# KiCad board demomatrix.kicad_pcb (continued)
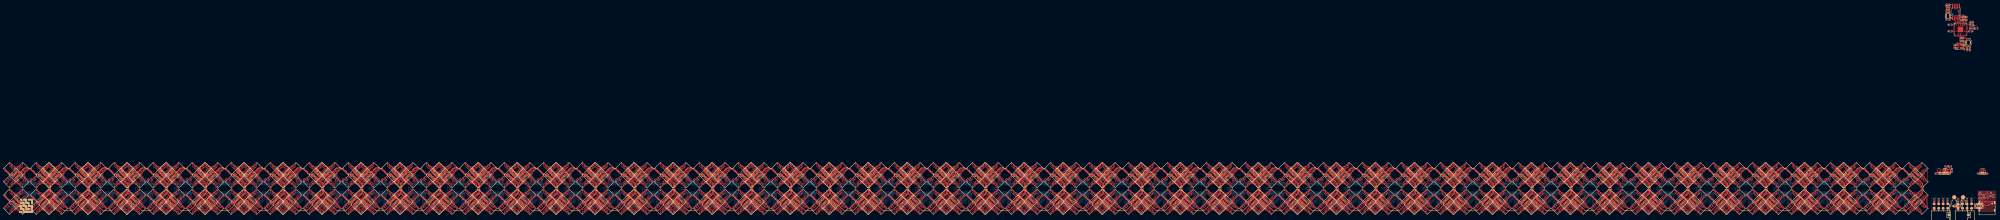
[diagram p0: board, top side]
## Routing (per net, layer and track width the routed paths; a pad name or vN(x,y) marks a point on that pad's centre or on a via; arc(x,y) is an arc through that point) (continued)
rgbs[3]-anodes-anode-766: length 3.9
  Top w0.2: LED143.5 -29.12,0.61 -30.11,0.61 -30.46,0.97 -30.92,0.97 -31.26,0.62 -32.46,0.62 LED144.6
rgbs[3]-anodes-anode-767: length 1.8
  Top w0.2: LED143.7 -29.9,1.53 -29.94,1.53 -30.11,1.37 -31.32,1.37 LED144.8
rgbs[3]-anodes-anode-768: length 9.5
  Top w0.2: LED148.4 -26.43,15.08 -26.43,15.87 -25.7,16.59 -25.69,16.59 -25.4,16.88 -25.4,16.89 -24.84,17.45 -24.59,17.45 -23.91,16.77 -23.47,16.77 -22.79,17.45 -22.54,17.45 -20.98,15.89 -20.98,15.08 -21.13,14.93 -21.13,14.9 LED147.3
rgbs[3]-anodes-anode-769: length 12.8
  Top w0.2: LED148.2 -27.16,14.12 -27.16,15.7 -25.86,16.99 -25.86,16.99 -25.8,17.05 -25.8,17.06 -25.01,17.85 -24.43,17.85 -23.74,17.17 -23.64,17.17 -22.95,17.85 -22.37,17.85 -20.22,15.7 -20.22,14.31 -20.15,14.23 -20.28,14.1 -20.28,14.06 LED147.1
rgbs[3]-anodes-anode-770: length 3.9
  Top w0.2: LED148.6 -25.46,15.62 -24.26,15.62 -23.92,15.97 -23.46,15.97 -23.11,15.61 -22.12,15.61 LED147.5
rgbs[3]-anodes-anode-771: length 1.8
  Top w0.2: LED147.7 -22.9,16.53 -22.94,16.53 -23.11,16.37 -24.32,16.37 LED148.8
rgbs[3]-anodes-anode-772: length 9.5
  Top w0.2: LED152.4 -11.43,15.08 -11.43,15.87 -10.7,16.59 -10.69,16.59 -10.4,16.88 -10.4,16.89 -9.84,17.45 -9.59,17.45 -8.91,16.77 -8.47,16.77 -7.79,17.45 -7.54,17.45 -5.98,15.89 -5.98,15.08 -6.13,14.93 -6.13,14.9 LED151.3
rgbs[3]-anodes-anode-773: length 12.8
  Top w0.2: LED152.2 -12.16,14.12 -12.16,15.7 -10.86,16.99 -10.86,16.99 -10.8,17.05 -10.8,17.06 -10.01,17.85 -9.43,17.85 -8.74,17.17 -8.64,17.17 -7.95,17.85 -7.37,17.85 -5.22,15.7 -5.22,14.31 -5.15,14.23 -5.28,14.1 -5.28,14.06 LED151.1
rgbs[3]-anodes-anode-774: length 3.9
  Top w0.2: LED151.5 -7.12,15.61 -8.11,15.61 -8.46,15.97 -8.92,15.97 -9.26,15.62 -10.46,15.62 LED152.6
rgbs[3]-anodes-anode-775: length 1.8
  Top w0.2: LED152.8 -9.32,16.37 -8.11,16.37 -7.94,16.53 -7.9,16.53 LED151.7
rgbs[3]-anodes-anode-776: length 9.5
  Top w0.2: LED156.4 -26.43,0.08 -26.43,0.87 -25.7,1.59 -25.69,1.59 -25.4,1.88 -25.4,1.89 -24.84,2.45 -24.59,2.45 -23.91,1.77 -23.47,1.77 -22.79,2.45 -22.54,2.45 -20.98,0.89 -20.98,0.08 -21.13,-0.07 -21.13,-0.1 LED155.3
rgbs[3]-anodes-anode-777: length 12.8
  Top w0.2: LED155.1 -20.28,-0.94 -20.28,-0.9 -20.15,-0.77 -20.22,-0.69 -20.22,0.7 -22.37,2.85 -22.95,2.85 -23.64,2.17 -23.74,2.17 -24.43,2.85 -25.01,2.85 -25.8,2.06 -25.8,2.05 -25.86,1.99 -25.86,1.99 -27.16,0.7 -27.16,-0.88 LED156.2
rgbs[3]-anodes-anode-778: length 3.9
  Top w0.2: LED155.5 -22.12,0.61 -23.11,0.61 -23.46,0.97 -23.92,0.97 -24.26,0.62 -25.46,0.62 LED156.6
rgbs[3]-anodes-anode-779: length 1.8
  Top w0.2: LED155.7 -22.9,1.53 -22.94,1.53 -23.11,1.37 -24.32,1.37 LED156.8
rgbs[3]-anodes-anode-780: length 9.5
  Top w0.2: LED160.4 -11.43,0.08 -11.43,0.87 -10.7,1.59 -10.69,1.59 -10.4,1.88 -10.4,1.89 -9.84,2.45 -9.59,2.45 -8.91,1.77 -8.47,1.77 -7.79,2.45 -7.54,2.45 -5.98,0.89 -5.98,0.08 -6.13,-0.07 -6.13,-0.1 LED159.3
rgbs[3]-anodes-anode-781: length 12.8
  Top w0.2: LED159.1 -5.28,-0.94 -5.28,-0.9 -5.15,-0.77 -5.22,-0.69 -5.22,0.7 -7.37,2.85 -7.95,2.85 -8.64,2.17 -8.74,2.17 -9.43,2.85 -10.01,2.85 -10.8,2.06 -10.8,2.05 -10.86,1.99 -10.86,1.99 -12.16,0.7 -12.16,-0.88 LED160.2
rgbs[3]-anodes-anode-782: length 3.9
  Top w0.2: LED160.6 -10.46,0.62 -9.26,0.62 -8.92,0.97 -8.46,0.97 -8.11,0.61 -7.12,0.61 LED159.5
rgbs[3]-anodes-anode-783: length 1.8
  Top w0.2: LED160.8 -9.32,1.37 -8.11,1.37 -7.94,1.53 -7.9,1.53 LED159.7
rgbs[3]-cathodes-cathode-0: length 17.9
  Top w0.2: LED4.1 -1084.85,15.8 v1(-1084.77,15.8)
  Bottom w0.2: v1(-1084.77,15.8) -1084.65,15.8 ; -1084.65,15.8 -1084.58,15.87 ; -1084.65,15.8 -1084.13,16.32 -1084.13,16.32 -1083.78,16.67 -1083.78,16.68 -1083.37,17.08 -1083.14,17.31 -1082.79,17.66 -1082.79,17.67 -1082.77,17.69 -1082.46,17.69 -1082.37,17.69 -1082.03,17.69 -1079.83,19.89 -1076.04,19.89 -1073.24,17.09 -1073.24,16.89 U1.5
rgbs[3]-cathodes-cathode-1: length 9.4
  Top w0.2: v1(-1069.72,2.28) -1070.41,2.97 LED16.3
  Bottom w0.2: U1.15 -1070.07,2.63 v1(-1069.72,2.28)
rgbs[3]-cathodes-cathode-2: length 10.7
  Top w0.2: v1(-1070.36,1.27) -1071.26,2.17 LED16.1
  Bottom w0.2: U1.16 -1070.7,1.61 v1(-1070.36,1.27)
rgbs[3]-cathodes-cathode-3: length 21.3
  Top w0.2: v1(-1085.23,1.21) -1085.25,1.21 LED12.1
  Bottom w0.2: U1.17 -1071.27,10.46 -1071.27,9.75 -1071.37,9.65 -1071.37,6.91 -1075.39,2.89 -1081.86,2.89 -1083.54,1.21 v1(-1085.23,1.21)
rgbs[3]-cathodes-cathode-4: length 19.3
  Top w0.2: LED12.3 -1084.51,2.17 v1(-1084.44,2.17)
  Bottom w0.2: U1.18 -1071.97,6.88 -1075.56,3.29 -1082.02,3.29 -1083.15,2.17 v1(-1084.44,2.17)
rgbs[3]-cathodes-cathode-5: length 17.6
  Top w0.2: LED12.5 -1083.6,2.96 v1(-1083.6,2.94)
  Bottom w0.2: v1(-1083.6,2.94) -1082.94,2.94 -1082.19,3.69 -1075.72,3.69 -1072.61,6.81 U1.19
rgbs[3]-cathodes-cathode-6: length 15.2
  Top w0.2: v1(-1082.89,4) -1082.95,4 -1083.43,4.48
  Bottom w0.2: v1(-1082.89,4) -1082.8,4.09 -1075.89,4.09 -1073.24,6.74 U1.20
rgbs[3]-cathodes-cathode-7: length 17.3
  Top w0.2: LED4.3 -1084.38,17.03 v1(-1084.38,16.92)
  Bottom w0.2: U1.6 -1072.61,17.02 -1075.88,20.29 -1080,20.29 -1082.2,18.09 -1082.62,18.09 -1082.62,18.09 -1082.93,18.09 -1083.19,17.83 -1083.19,17.83 -1083.54,17.48 -1083.92,17.09 -1084.21,17.09 v1(-1084.38,16.92)
rgbs[3]-cathodes-cathode-8: length 16.9
  Top w0.2: LED4.5 -1083.79,18.14 v1(-1083.79,18.08)
  Bottom w0.2: v1(-1083.79,18.08) -1083.65,17.94 -1083.1,18.49 -1082.79,18.49 -1082.7,18.49 -1082.37,18.49 -1080.16,20.69 -1075.71,20.69 -1071.97,16.95 U1.7
rgbs[3]-cathodes-cathode-9: length 16.1
  Top w0.2: v1(-1083.04,19.09) -1083.04,19.09 -1083.43,19.48
  Bottom w0.2: v1(-1083.04,19.09) -1082.84,18.89 -1082.53,18.89 -1080.33,21.09 -1075.55,21.09 -1071.34,16.89 U1.8
rgbs[3]-cathodes-cathode-10: length 4.1
  Top w0.2: v1(-1071.81,18.21) -1071.26,17.66 LED8.1
  Bottom w0.2: U1.9 -1070.7,17.1 v1(-1071.81,18.21)
rgbs[3]-cathodes-cathode-11: length 4.5
  Top w0.2: v1(-1071.2,18.72) -1071.07,18.72 LED8.3
  Bottom w0.2: v1(-1071.2,18.72) -1070.07,17.59 U1.10
rgbs[3]-cathodes-cathode-12: length 3.2
  Top w0.2: LED8.5 -1069.42,18.78 v1(-1069.42,17.52)
  Bottom w0.2: U1.11 -1069.43,17.51 v1(-1069.42,17.52)
rgbs[3]-cathodes-cathode-13: length 3.7
  Top w0.2: v1(-1068.79,18.01) -1068.53,18.27 -1068.53,19.33
  Bottom w0.2: v1(-1068.79,18.01) -1068.8,18 U1.12
rgbs[3]-cathodes-cathode-14: length 7.9
  Top w0.2: LED16.7 -1068.72,4.74 v1(-1067.98,4)
  Bottom w0.2: U1.13 -1068.8,4.82 v1(-1067.98,4)
rgbs[3]-cathodes-cathode-15: length 8.7
  Top w0.2: LED16.5 -1068.9,3.25 v1(-1068.9,3.1)
  Bottom w0.2: v1(-1068.9,3.1) -1069.43,3.64 U1.14
rgbs[3]-cathodes-cathode-16: length 17.9
  Top w0.2: LED164.1 -1062.85,15.8 v1(-1062.77,15.8)
  Bottom w0.2: -1062.58,15.87 -1062.65,15.8 ; -1062.65,15.8 v1(-1062.77,15.8) ; -1062.65,15.8 -1062.13,16.32 -1062.13,16.32 -1061.78,16.67 -1061.78,16.68 -1061.37,17.08 -1061.14,17.31 -1060.79,17.66 -1060.79,17.67 -1060.77,17.69 -1060.46,17.69 -1060.37,17.69 -1060.03,17.69 -1057.83,19.89 -1054.04,19.89 -1051.24,17.09 -1051.24,16.89 U51.5
rgbs[3]-cathodes-cathode-17: length 9.4
  Top w0.2: LED176.3 -1048.41,2.97 v1(-1047.72,2.28)
  Bottom w0.2: v1(-1047.72,2.28) -1048.07,2.63 U51.15
rgbs[3]-cathodes-cathode-18: length 10.7
  Top w0.2: LED176.1 -1049.26,2.17 v1(-1048.36,1.27)
  Bottom w0.2: U51.16 -1048.7,1.61 v1(-1048.36,1.27)
rgbs[3]-cathodes-cathode-19: length 21.3
  Top w0.2: v1(-1063.23,1.21) -1063.25,1.21 LED172.1
  Bottom w0.2: U51.17 -1049.27,10.46 -1049.27,9.75 -1049.37,9.65 -1049.37,6.91 -1053.39,2.89 -1059.86,2.89 -1061.54,1.21 v1(-1063.23,1.21)
rgbs[3]-cathodes-cathode-20: length 19.3
  Top w0.2: LED172.3 -1062.51,2.17 v1(-1062.44,2.17)
  Bottom w0.2: U51.18 -1049.97,6.88 -1053.56,3.29 -1060.02,3.29 -1061.15,2.17 v1(-1062.44,2.17)
rgbs[3]-cathodes-cathode-21: length 17.6
  Top w0.2: LED172.5 -1061.6,2.96 v1(-1061.6,2.94)
  Bottom w0.2: U51.19 -1050.61,6.81 -1053.72,3.69 -1060.19,3.69 -1060.94,2.94 v1(-1061.6,2.94)
rgbs[3]-cathodes-cathode-22: length 15.2
  Top w0.2: v1(-1060.89,4) -1060.95,4 -1061.43,4.48
  Bottom w0.2: U51.20 -1051.24,6.74 -1053.89,4.09 -1060.8,4.09 v1(-1060.89,4)
rgbs[3]-cathodes-cathode-23: length 17.3
  Top w0.2: LED164.3 -1062.38,17.03 v1(-1062.38,16.92)
  Bottom w0.2: v1(-1062.38,16.92) -1062.21,17.09 -1061.92,17.09 -1061.54,17.48 -1061.19,17.83 -1061.19,17.83 -1060.93,18.09 -1060.62,18.09 -1060.62,18.09 -1060.2,18.09 -1058,20.29 -1053.88,20.29 -1050.61,17.02 U51.6
rgbs[3]-cathodes-cathode-24: length 16.9
  Top w0.2: v1(-1061.79,18.08) -1061.79,18.14 LED164.5
  Bottom w0.2: U51.7 -1049.97,16.95 -1053.71,20.69 -1058.16,20.69 -1060.37,18.49 -1060.79,18.49 -1061.1,18.49 -1061.65,17.94 v1(-1061.79,18.08)
rgbs[3]-cathodes-cathode-25: length 16.1
  Top w0.2: -1061.43,19.48 -1061.04,19.09 v1(-1061.04,19.09)
  Bottom w0.2: U51.8 -1049.34,16.89 -1053.55,21.09 -1058.33,21.09 -1060.53,18.89 -1060.84,18.89 v1(-1061.04,19.09)
rgbs[3]-cathodes-cathode-26: length 4.1
  Top w0.2: v1(-1049.81,18.21) -1049.26,17.66 LED168.1
  Bottom w0.2: v1(-1049.81,18.21) -1048.7,17.1 U51.9
rgbs[3]-cathodes-cathode-27: length 4.5
  Top w0.2: v1(-1049.2,18.72) -1049.07,18.72 LED168.3
  Bottom w0.2: U51.10 -1048.07,17.59 v1(-1049.2,18.72)
rgbs[3]-cathodes-cathode-28: length 3.2
  Top w0.2: LED168.5 -1047.42,18.78 v1(-1047.42,17.52)
  Bottom w0.2: v1(-1047.42,17.52) -1047.43,17.51 U51.11
rgbs[3]-cathodes-cathode-29: length 3.7
  Top w0.2: -1046.53,19.33 -1046.53,18.27 v1(-1046.79,18.01)
  Bottom w0.2: U51.12 -1046.8,18 v1(-1046.79,18.01)
rgbs[3]-cathodes-cathode-30: length 7.9
  Top w0.2: v1(-1045.98,4) -1046.72,4.74 LED176.7
  Bottom w0.2: U51.13 -1046.8,4.82 v1(-1045.98,4)
rgbs[3]-cathodes-cathode-31: length 8.7
  Top w0.2: LED176.5 -1046.9,3.25 v1(-1046.9,3.1)
  Bottom w0.2: U51.14 -1047.43,3.64 v1(-1046.9,3.1)
rgbs[3]-cathodes-cathode-32: length 17.9
  Top w0.2: v1(-1040.77,15.8) -1040.85,15.8 LED180.1
  Bottom w0.2: -1040.65,15.8 -1040.13,16.32 -1040.13,16.32 -1039.78,16.67 -1039.78,16.68 -1039.37,17.08 -1039.14,17.31 -1038.79,17.66 -1038.79,17.67 -1038.77,17.69 -1038.46,17.69 -1038.37,17.69 -1038.03,17.69 -1035.83,19.89 -1032.04,19.89 -1029.24,17.09 -1029.24,16.89 U56.5 ; -1040.65,15.8 -1040.58,15.87 ; -1040.65,15.8 v1(-1040.77,15.8)
rgbs[3]-cathodes-cathode-33: length 9.4
  Top w0.2: v1(-1025.72,2.28) -1026.41,2.97 LED192.3
  Bottom w0.2: v1(-1025.72,2.28) -1026.07,2.63 U56.15
rgbs[3]-cathodes-cathode-34: length 10.7
  Top w0.2: v1(-1026.36,1.27) -1027.26,2.17 LED192.1
  Bottom w0.2: v1(-1026.36,1.27) -1026.7,1.61 U56.16
rgbs[3]-cathodes-cathode-35: length 21.3
  Top w0.2: v1(-1041.23,1.21) -1041.25,1.21 LED188.1
  Bottom w0.2: U56.17 -1027.27,10.46 -1027.27,9.75 -1027.37,9.65 -1027.37,6.91 -1031.39,2.89 -1037.86,2.89 -1039.54,1.21 v1(-1041.23,1.21)
rgbs[3]-cathodes-cathode-36: length 19.3
  Top w0.2: v1(-1040.44,2.17) -1040.51,2.17 LED188.3
  Bottom w0.2: U56.18 -1027.97,6.88 -1031.56,3.29 -1038.02,3.29 -1039.15,2.17 v1(-1040.44,2.17)
rgbs[3]-cathodes-cathode-37: length 17.6
  Top w0.2: v1(-1039.6,2.94) -1039.6,2.96 LED188.5
  Bottom w0.2: v1(-1039.6,2.94) -1038.94,2.94 -1038.19,3.69 -1031.72,3.69 -1028.61,6.81 U56.19
rgbs[3]-cathodes-cathode-38: length 15.2
  Top w0.2: v1(-1038.89,4) -1038.95,4 -1039.43,4.48
  Bottom w0.2: v1(-1038.89,4) -1038.8,4.09 -1031.89,4.09 -1029.24,6.74 U56.20
rgbs[3]-cathodes-cathode-39: length 17.3
  Top w0.2: v1(-1040.38,16.92) -1040.38,17.03 LED180.3
  Bottom w0.2: U56.6 -1028.61,17.02 -1031.88,20.29 -1036,20.29 -1038.2,18.09 -1038.62,18.09 -1038.62,18.09 -1038.93,18.09 -1039.19,17.83 -1039.19,17.83 -1039.54,17.48 -1039.92,17.09 -1040.21,17.09 v1(-1040.38,16.92)
rgbs[3]-cathodes-cathode-40: length 16.9
  Top w0.2: v1(-1039.79,18.08) -1039.79,18.14 LED180.5
  Bottom w0.2: v1(-1039.79,18.08) -1039.65,17.94 -1039.1,18.49 -1038.79,18.49 -1038.7,18.49 -1038.37,18.49 -1036.16,20.69 -1031.71,20.69 -1027.97,16.95 U56.7
rgbs[3]-cathodes-cathode-41: length 16.1
  Top w0.2: -1039.43,19.48 -1039.04,19.09 v1(-1039.04,19.09)
  Bottom w0.2: v1(-1039.04,19.09) -1038.84,18.89 -1038.53,18.89 -1036.33,21.09 -1031.55,21.09 -1027.34,16.89 U56.8
rgbs[3]-cathodes-cathode-42: length 4.1
  Top w0.2: v1(-1027.81,18.21) -1027.26,17.66 LED184.1
  Bottom w0.2: v1(-1027.81,18.21) -1026.7,17.1 U56.9
rgbs[3]-cathodes-cathode-43: length 4.5
  Top w0.2: v1(-1027.2,18.72) -1027.07,18.72 LED184.3
  Bottom w0.2: v1(-1027.2,18.72) -1026.07,17.59 U56.10
rgbs[3]-cathodes-cathode-44: length 3.2
  Top w0.2: v1(-1025.42,17.52) -1025.42,18.78 LED184.5
  Bottom w0.2: U56.11 -1025.43,17.51 v1(-1025.42,17.52)
rgbs[3]-cathodes-cathode-45: length 3.7
  Top w0.2: -1024.53,19.33 -1024.53,18.27 v1(-1024.79,18.01)
  Bottom w0.2: U56.12 -1024.8,18 v1(-1024.79,18.01)
rgbs[3]-cathodes-cathode-46: length 7.9
  Top w0.2: v1(-1023.98,4) -1024.72,4.74 LED192.7
  Bottom w0.2: v1(-1023.98,4) -1024.8,4.82 U56.13
rgbs[3]-cathodes-cathode-47: length 8.7
  Top w0.2: v1(-1024.9,3.1) -1024.9,3.25 LED192.5
  Bottom w0.2: U56.14 -1025.43,3.64 v1(-1024.9,3.1)
rgbs[3]-cathodes-cathode-48: length 17.9
  Top w0.2: v1(-1018.77,15.8) -1018.85,15.8 LED196.1
  Bottom w0.2: -1018.65,15.8 -1018.13,16.32 -1018.13,16.32 -1017.78,16.67 -1017.78,16.68 -1017.37,17.08 -1017.14,17.31 -1016.79,17.66 -1016.79,17.67 -1016.77,17.69 -1016.46,17.69 -1016.37,17.69 -1016.03,17.69 -1013.83,19.89 -1010.04,19.89 -1007.24,17.09 -1007.24,16.89 U61.5 ; -1018.65,15.8 v1(-1018.77,15.8) ; -1018.65,15.8 -1018.58,15.87
rgbs[3]-cathodes-cathode-49: length 9.4
  Top w0.2: LED208.3 -1004.41,2.97 v1(-1003.72,2.28)
  Bottom w0.2: v1(-1003.72,2.28) -1004.07,2.63 U61.15
rgbs[3]-cathodes-cathode-50: length 10.7
  Top w0.2: LED208.1 -1005.26,2.17 v1(-1004.36,1.27)
  Bottom w0.2: U61.16 -1004.7,1.61 v1(-1004.36,1.27)
rgbs[3]-cathodes-cathode-51: length 21.3
  Top w0.2: v1(-1019.23,1.21) -1019.25,1.21 LED204.1
  Bottom w0.2: U61.17 -1005.27,10.46 -1005.27,9.75 -1005.37,9.65 -1005.37,6.91 -1009.39,2.89 -1015.86,2.89 -1017.54,1.21 v1(-1019.23,1.21)
rgbs[3]-cathodes-cathode-52: length 19.3
  Top w0.2: v1(-1018.44,2.17) -1018.51,2.17 LED204.3
  Bottom w0.2: v1(-1018.44,2.17) -1017.15,2.17 -1016.02,3.29 -1009.56,3.29 -1005.97,6.88 U61.18
rgbs[3]-cathodes-cathode-53: length 17.6
  Top w0.2: LED204.5 -1017.6,2.96 v1(-1017.6,2.94)
  Bottom w0.2: U61.19 -1006.61,6.81 -1009.72,3.69 -1016.19,3.69 -1016.94,2.94 v1(-1017.6,2.94)
rgbs[3]-cathodes-cathode-54: length 15.2
  Top w0.2: -1017.43,4.48 -1016.95,4 v1(-1016.89,4)
  Bottom w0.2: U61.20 -1007.24,6.74 -1009.89,4.09 -1016.8,4.09 v1(-1016.89,4)
rgbs[3]-cathodes-cathode-55: length 17.3
  Top w0.2: v1(-1018.38,16.92) -1018.38,17.03 LED196.3
  Bottom w0.2: U61.6 -1006.61,17.02 -1009.88,20.29 -1014,20.29 -1016.2,18.09 -1016.62,18.09 -1016.62,18.09 -1016.93,18.09 -1017.19,17.83 -1017.19,17.83 -1017.54,17.48 -1017.92,17.09 -1018.21,17.09 v1(-1018.38,16.92)
rgbs[3]-cathodes-cathode-56: length 16.9
  Top w0.2: LED196.5 -1017.79,18.14 v1(-1017.79,18.08)
  Bottom w0.2: U61.7 -1005.97,16.95 -1009.71,20.69 -1014.16,20.69 -1016.37,18.49 -1016.79,18.49 -1017.1,18.49 -1017.65,17.94 v1(-1017.79,18.08)
rgbs[3]-cathodes-cathode-57: length 16.1
  Top w0.2: v1(-1017.04,19.09) -1017.04,19.09 -1017.43,19.48
  Bottom w0.2: v1(-1017.04,19.09) -1016.84,18.89 -1016.53,18.89 -1014.33,21.09 -1009.55,21.09 -1005.34,16.89 U61.8
rgbs[3]-cathodes-cathode-58: length 4.1
  Top w0.2: LED200.1 -1005.26,17.66 v1(-1005.81,18.21)
  Bottom w0.2: U61.9 -1004.7,17.1 v1(-1005.81,18.21)
rgbs[3]-cathodes-cathode-59: length 4.5
  Top w0.2: LED200.3 -1005.07,18.72 v1(-1005.2,18.72)
  Bottom w0.2: v1(-1005.2,18.72) -1004.07,17.59 U61.10
rgbs[3]-cathodes-cathode-60: length 3.2
  Top w0.2: v1(-1003.42,17.52) -1003.42,18.78 LED200.5
  Bottom w0.2: U61.11 -1003.43,17.51 v1(-1003.42,17.52)
rgbs[3]-cathodes-cathode-61: length 3.7
  Top w0.2: v1(-1002.79,18.01) -1002.53,18.27 -1002.53,19.33
  Bottom w0.2: v1(-1002.79,18.01) -1002.8,18 U61.12
rgbs[3]-cathodes-cathode-62: length 7.9
  Top w0.2: LED208.7 -1002.72,4.74 v1(-1001.98,4)
  Bottom w0.2: U61.13 -1002.8,4.82 v1(-1001.98,4)
rgbs[3]-cathodes-cathode-63: length 8.7
  Top w0.2: LED208.5 -1002.9,3.25 v1(-1002.9,3.1)
  Bottom w0.2: U61.14 -1003.43,3.64 v1(-1002.9,3.1)
rgbs[3]-cathodes-cathode-64: length 17.9
  Top w0.2: v1(-996.77,15.8) -996.85,15.8 LED212.1
  Bottom w0.2: -996.58,15.87 -996.65,15.8 ; -996.65,15.8 v1(-996.77,15.8) ; -996.65,15.8 -996.13,16.32 -996.13,16.32 -995.78,16.67 -995.78,16.68 -995.37,17.08 -995.14,17.31 -994.79,17.66 -994.79,17.67 -994.77,17.69 -994.46,17.69 -994.37,17.69 -994.03,17.69 -991.83,19.89 -988.04,19.89 -985.24,17.09 -985.24,16.89 U66.5
rgbs[3]-cathodes-cathode-65: length 9.4
  Top w0.2: LED224.3 -982.41,2.97 v1(-981.72,2.28)
  Bottom w0.2: v1(-981.72,2.28) -982.07,2.63 U66.15
rgbs[3]-cathodes-cathode-66: length 10.7
  Top w0.2: v1(-982.36,1.27) -983.26,2.17 LED224.1
  Bottom w0.2: U66.16 -982.7,1.61 v1(-982.36,1.27)
rgbs[3]-cathodes-cathode-67: length 21.3
  Top w0.2: v1(-997.23,1.21) -997.25,1.21 LED220.1
  Bottom w0.2: U66.17 -983.27,10.46 -983.27,9.75 -983.37,9.65 -983.37,6.91 -987.39,2.89 -993.86,2.89 -995.54,1.21 v1(-997.23,1.21)
rgbs[3]-cathodes-cathode-68: length 19.3
  Top w0.2: v1(-996.44,2.17) -996.51,2.17 LED220.3
  Bottom w0.2: v1(-996.44,2.17) -995.15,2.17 -994.02,3.29 -987.56,3.29 -983.97,6.88 U66.18
rgbs[3]-cathodes-cathode-69: length 17.6
  Top w0.2: LED220.5 -995.6,2.96 v1(-995.6,2.94)
  Bottom w0.2: v1(-995.6,2.94) -994.94,2.94 -994.19,3.69 -987.72,3.69 -984.61,6.81 U66.19
rgbs[3]-cathodes-cathode-70: length 15.2
  Top w0.2: -995.43,4.48 -994.95,4 v1(-994.89,4)
  Bottom w0.2: v1(-994.89,4) -994.8,4.09 -987.89,4.09 -985.24,6.74 U66.20
rgbs[3]-cathodes-cathode-71: length 17.3
  Top w0.2: v1(-996.38,16.92) -996.38,17.03 LED212.3
  Bottom w0.2: U66.6 -984.61,17.02 -987.88,20.29 -992,20.29 -994.2,18.09 -994.62,18.09 -994.62,18.09 -994.93,18.09 -995.19,17.83 -995.19,17.83 -995.54,17.48 -995.92,17.09 -996.21,17.09 v1(-996.38,16.92)
rgbs[3]-cathodes-cathode-72: length 16.9
  Top w0.2: v1(-995.79,18.08) -995.79,18.14 LED212.5
  Bottom w0.2: U66.7 -983.97,16.95 -987.71,20.69 -992.16,20.69 -994.37,18.49 -994.79,18.49 -995.1,18.49 -995.65,17.94 v1(-995.79,18.08)
rgbs[3]-cathodes-cathode-73: length 16.1
  Top w0.2: -995.43,19.48 -995.04,19.09 v1(-995.04,19.09)
  Bottom w0.2: U66.8 -983.34,16.89 -987.55,21.09 -992.33,21.09 -994.53,18.89 -994.84,18.89 v1(-995.04,19.09)
rgbs[3]-cathodes-cathode-74: length 4.1
  Top w0.2: v1(-983.81,18.21) -983.26,17.66 LED216.1
  Bottom w0.2: v1(-983.81,18.21) -982.7,17.1 U66.9
rgbs[3]-cathodes-cathode-75: length 4.5
  Top w0.2: v1(-983.2,18.72) -983.07,18.72 LED216.3
  Bottom w0.2: U66.10 -982.07,17.59 v1(-983.2,18.72)
rgbs[3]-cathodes-cathode-76: length 3.2
  Top w0.2: LED216.5 -981.42,18.78 v1(-981.42,17.52)
  Bottom w0.2: U66.11 -981.43,17.51 v1(-981.42,17.52)
rgbs[3]-cathodes-cathode-77: length 3.7
  Top w0.2: v1(-980.79,18.01) -980.53,18.27 -980.53,19.33
  Bottom w0.2: U66.12 -980.8,18 v1(-980.79,18.01)
rgbs[3]-cathodes-cathode-78: length 7.9
  Top w0.2: v1(-979.98,4) -980.72,4.74 LED224.7
  Bottom w0.2: v1(-979.98,4) -980.8,4.82 U66.13
rgbs[3]-cathodes-cathode-79: length 8.7
  Top w0.2: LED224.5 -980.9,3.25 v1(-980.9,3.1)
  Bottom w0.2: v1(-980.9,3.1) -981.43,3.64 U66.14
rgbs[3]-cathodes-cathode-80: length 17.9
  Top w0.2: v1(-974.77,15.8) -974.85,15.8 LED228.1
  Bottom w0.2: U71.5 -963.24,16.89 -963.24,17.09 -966.04,19.89 -969.83,19.89 -972.03,17.69 -972.46,17.69 -972.77,17.69 -972.79,17.67 -972.79,17.66 -973.37,17.08 -973.52,16.93 -973.78,16.68 -973.78,16.67 -974.13,16.32 -974.13,16.32 -974.65,15.8 ; v1(-974.77,15.8) -974.65,15.8 ; -974.65,15.8 -974.58,15.87
rgbs[3]-cathodes-cathode-81: length 9.4
  Top w0.2: v1(-959.72,2.28) -960.41,2.97 LED240.3
  Bottom w0.2: U71.15 -960.07,2.63 v1(-959.72,2.28)
rgbs[3]-cathodes-cathode-82: length 10.7
  Top w0.2: LED240.1 -961.26,2.17 v1(-960.36,1.27)
  Bottom w0.2: U71.16 -960.7,1.61 v1(-960.36,1.27)
rgbs[3]-cathodes-cathode-83: length 21.3
  Top w0.2: LED236.1 -975.25,1.21 v1(-975.23,1.21)
  Bottom w0.2: U71.17 -961.27,10.46 -961.27,9.75 -961.37,9.65 -961.37,6.91 -965.39,2.89 -971.86,2.89 -973.54,1.21 v1(-975.23,1.21)
rgbs[3]-cathodes-cathode-84: length 19.3
  Top w0.2: LED236.3 -974.51,2.17 v1(-974.44,2.17)
  Bottom w0.2: v1(-974.44,2.17) -973.15,2.17 -972.02,3.29 -965.56,3.29 -961.97,6.88 U71.18
rgbs[3]-cathodes-cathode-85: length 17.6
  Top w0.2: v1(-973.6,2.94) -973.6,2.96 LED236.5
  Bottom w0.2: v1(-973.6,2.94) -972.94,2.94 -972.19,3.69 -965.72,3.69 -962.61,6.81 U71.19
rgbs[3]-cathodes-cathode-86: length 15.2
  Top w0.2: -973.43,4.48 -972.95,4 v1(-972.89,4)
  Bottom w0.2: U71.20 -963.24,6.74 -965.89,4.09 -972.8,4.09 v1(-972.89,4)
rgbs[3]-cathodes-cathode-87: length 17.3
  Top w0.2: v1(-974.38,16.92) -974.38,17.03 LED228.3
  Bottom w0.2: v1(-974.38,16.92) -974.21,17.09 -973.92,17.09 -973.54,17.48 -973.19,17.83 -973.19,17.83 -972.93,18.09 -972.62,18.09 -972.62,18.09 -972.2,18.09 -970,20.29 -965.88,20.29 -962.61,17.02 U71.6
rgbs[3]-cathodes-cathode-88: length 16.9
  Top w0.2: v1(-973.79,18.08) -973.79,18.14 LED228.5
  Bottom w0.2: v1(-973.79,18.08) -973.65,17.94 -973.1,18.49 -972.79,18.49 -972.7,18.49 -972.37,18.49 -970.16,20.69 -965.71,20.69 -961.97,16.95 U71.7
rgbs[3]-cathodes-cathode-89: length 16.1
  Top w0.2: v1(-973.04,19.09) -973.04,19.09 -973.43,19.48
  Bottom w0.2: v1(-973.04,19.09) -972.84,18.89 -972.53,18.89 -970.33,21.09 -965.55,21.09 -961.34,16.89 U71.8
rgbs[3]-cathodes-cathode-90: length 4.1
  Top w0.2: v1(-961.81,18.21) -961.26,17.66 LED232.1
  Bottom w0.2: U71.9 -960.7,17.1 v1(-961.81,18.21)
rgbs[3]-cathodes-cathode-91: length 4.5
  Top w0.2: v1(-961.2,18.72) -961.07,18.72 LED232.3
  Bottom w0.2: U71.10 -960.07,17.59 v1(-961.2,18.72)
rgbs[3]-cathodes-cathode-92: length 3.2
  Top w0.2: v1(-959.42,17.52) -959.42,18.78 LED232.5
  Bottom w0.2: U71.11 -959.43,17.51 v1(-959.42,17.52)
rgbs[3]-cathodes-cathode-93: length 3.7
  Top w0.2: -958.53,19.33 -958.53,18.27 v1(-958.79,18.01)
  Bottom w0.2: v1(-958.79,18.01) -958.8,18 U71.12
rgbs[3]-cathodes-cathode-94: length 7.9
  Top w0.2: v1(-957.98,4) -958.72,4.74 LED240.7
  Bottom w0.2: v1(-957.98,4) -958.8,4.82 U71.13
rgbs[3]-cathodes-cathode-95: length 8.7
  Top w0.2: LED240.5 -958.9,3.25 v1(-958.9,3.1)
  Bottom w0.2: v1(-958.9,3.1) -959.43,3.64 U71.14
rgbs[3]-cathodes-cathode-96: length 17.9
  Top w0.2: v1(-952.77,15.8) -952.85,15.8 LED244.1
  Bottom w0.2: v1(-952.77,15.8) -952.65,15.8 ; -952.65,15.8 -952.58,15.87 ; -952.65,15.8 -952.13,16.32 -952.13,16.32 -951.78,16.67 -951.78,16.68 -951.37,17.08 -951.14,17.31 -950.79,17.66 -950.79,17.67 -950.77,17.69 -950.46,17.69 -950.37,17.69 -950.03,17.69 -947.83,19.89 -944.04,19.89 -941.24,17.09 -941.24,16.89 U76.5
rgbs[3]-cathodes-cathode-97: length 9.4
  Top w0.2: v1(-937.72,2.28) -938.41,2.97 LED256.3
  Bottom w0.2: U76.15 -938.07,2.63 v1(-937.72,2.28)
rgbs[3]-cathodes-cathode-98: length 10.7
  Top w0.2: LED256.1 -939.26,2.17 v1(-938.36,1.27)
  Bottom w0.2: v1(-938.36,1.27) -938.7,1.61 U76.16
rgbs[3]-cathodes-cathode-99: length 21.3
  Top w0.2: v1(-953.23,1.21) -953.25,1.21 LED252.1
  Bottom w0.2: U76.17 -939.27,10.46 -939.27,9.75 -939.37,9.65 -939.37,6.91 -943.39,2.89 -949.86,2.89 -951.54,1.21 v1(-953.23,1.21)
rgbs[3]-cathodes-cathode-100: length 19.3
  Top w0.2: v1(-952.44,2.17) -952.51,2.17 LED252.3
  Bottom w0.2: v1(-952.44,2.17) -951.15,2.17 -950.02,3.29 -943.56,3.29 -939.97,6.88 U76.18
rgbs[3]-cathodes-cathode-101: length 17.6
  Top w0.2: LED252.5 -951.6,2.96 v1(-951.6,2.94)
  Bottom w0.2: U76.19 -940.61,6.81 -943.72,3.69 -950.19,3.69 -950.94,2.94 v1(-951.6,2.94)
rgbs[3]-cathodes-cathode-102: length 15.2
  Top w0.2: v1(-950.89,4) -950.95,4 -951.43,4.48
  Bottom w0.2: v1(-950.89,4) -950.8,4.09 -943.89,4.09 -941.24,6.74 U76.20
rgbs[3]-cathodes-cathode-103: length 17.3
  Top w0.2: LED244.3 -952.38,17.03 v1(-952.38,16.92)
  Bottom w0.2: v1(-952.38,16.92) -952.21,17.09 -951.92,17.09 -951.54,17.48 -951.19,17.83 -951.19,17.83 -950.93,18.09 -950.62,18.09 -950.62,18.09 -950.2,18.09 -948,20.29 -943.88,20.29 -940.61,17.02 U76.6
rgbs[3]-cathodes-cathode-104: length 16.9
  Top w0.2: LED244.5 -951.79,18.14 v1(-951.79,18.08)
  Bottom w0.2: U76.7 -939.97,16.95 -943.71,20.69 -948.16,20.69 -950.37,18.49 -950.79,18.49 -951.1,18.49 -951.65,17.94 v1(-951.79,18.08)
rgbs[3]-cathodes-cathode-105: length 16.1
  Top w0.2: v1(-951.04,19.09) -951.04,19.09 -951.43,19.48
  Bottom w0.2: U76.8 -939.34,16.89 -943.55,21.09 -948.33,21.09 -950.53,18.89 -950.84,18.89 v1(-951.04,19.09)
rgbs[3]-cathodes-cathode-106: length 4.1
  Top w0.2: LED248.1 -939.26,17.66 v1(-939.81,18.21)
  Bottom w0.2: v1(-939.81,18.21) -938.7,17.1 U76.9
rgbs[3]-cathodes-cathode-107: length 4.5
  Top w0.2: v1(-939.2,18.72) -939.07,18.72 LED248.3
  Bottom w0.2: v1(-939.2,18.72) -938.07,17.59 U76.10
rgbs[3]-cathodes-cathode-108: length 3.2
  Top w0.2: v1(-937.42,17.52) -937.42,18.78 LED248.5
  Bottom w0.2: v1(-937.42,17.52) -937.43,17.51 U76.11
rgbs[3]-cathodes-cathode-109: length 3.7
  Top w0.2: -936.53,19.33 -936.53,18.27 v1(-936.79,18.01)
  Bottom w0.2: v1(-936.79,18.01) -936.8,18 U76.12
